# Allegro board OPT8241-CDK-EVM IB 10-50_REV2P0V1.brd (continued)
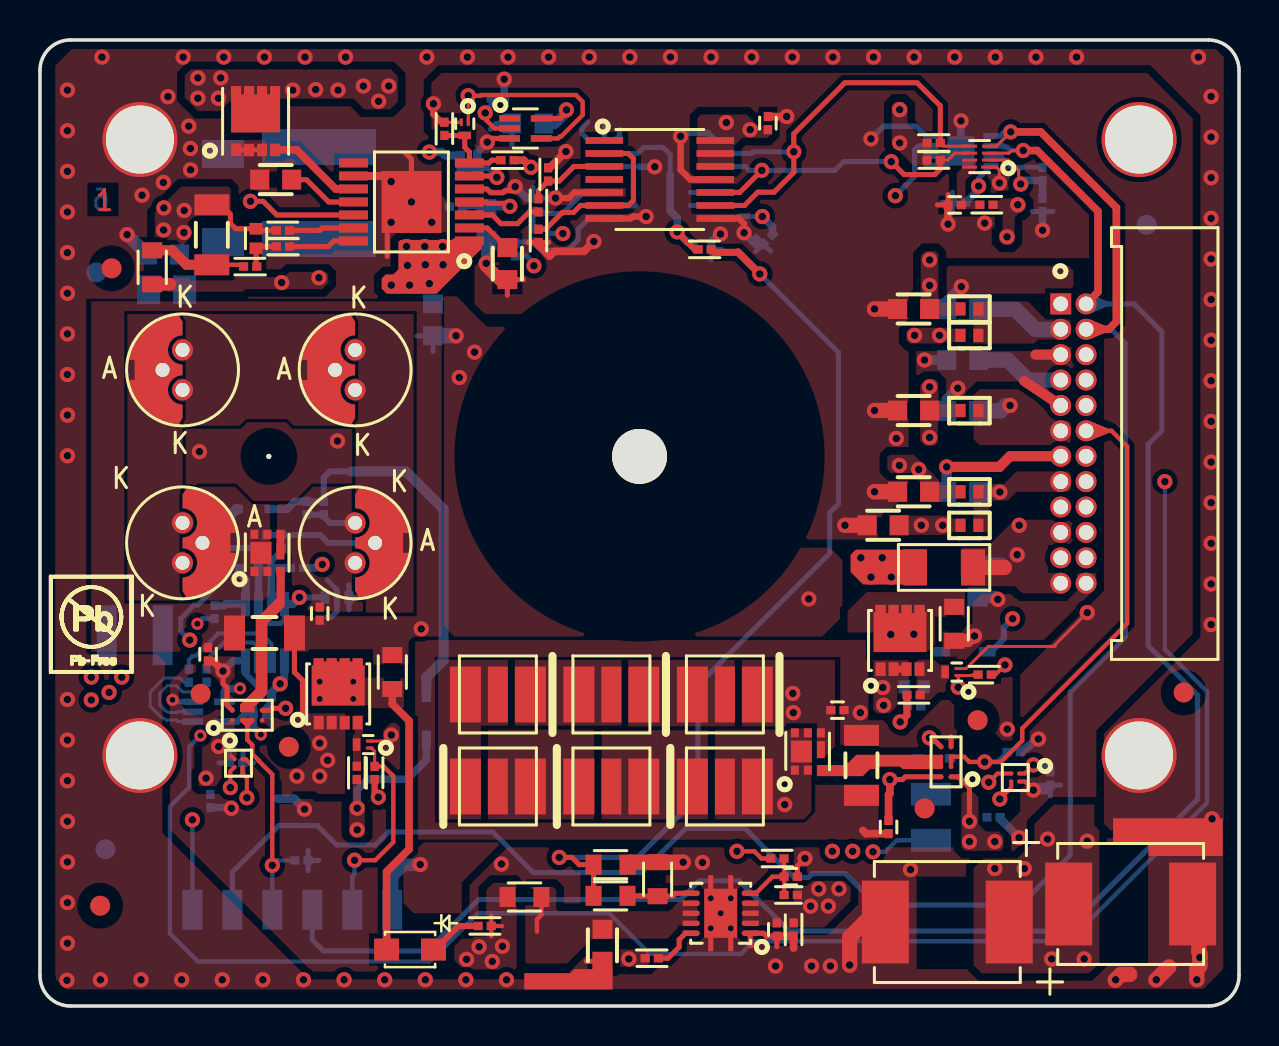
[diagram p0: board, top side]
## Routing (per net, layer and track width the routed paths; a pad name or vN(x,y) marks a point on that pad's centre or on a via; arc(x,y) is an arc through that point) (continued)
  BOTTOM w0.254: 50.68,39.74 C47.2 49.65,39.74 ; 35.04,40.04 U18.13 32.55,40.04 ; 29.48,41.99 U18.5 26.99,41.99 ; 50.04,11.05 C16.2 ; C16.2 51.07,11.05 ; C16.2 50.56,10.51 ; U23.3 6.79,15.22 6.7,15.32 v2(6.63,15.32) ; v2(7.88,19.12) 8.13,19.37 R67.2 ; 22.53,43.84 22.82,44.14 C46.1 23.61,43.11 23.6,43.09 ; 45.66,39.68 C13.2 ; C13.2 45.66,40.71 ; C13.2 45.13,40.2 ; U21.9 45.84,42.52 ; 34.12,37.84 R54.1 33.59,37.33 ; R33.1 13.95,7.28 ; R33.1 13.41,7.8 ; R33.1 13.41,6.77 ; 23.14,38.29 C25.1 22.34,37.51 ; 35.81,37.74 36.19,38.12 ; 36.19,38.12 35.83,38.48 ; 36.19,38.12 36.56,37.76 ; C39.2 10.69,12.16 ; C39.2 10.15,11.64 ; C39.2 10.15,12.67 ; 35.04,40.69 U18.12 32.55,40.69 ; 24.67,40.94 R44.1 25.18,40.4
  BOTTOM w0.279: v1(41.58,43.37) 42.21,44 43.85,44 44.33,43.52 U21.4 ; U21.1 45.34,42.02 45.84,42.52 U21.2
  BOTTOM w0.318: 29.98,41.99 30,41.98 v1(30.76,41.98) ; U18.2 29.78,40.04 ; v1(32.06,43.5) 32.09,43.5 32.27,43.67 33.41,43.67 U18.8 ; U9.11 32.57,41.34
  BOTTOM w0.33: C54.2 11.33,14.92 11.5,15.09 11.5,15.2 11.52,15.22 11.52,15.37 C51.1
  BOTTOM w0.381: U22.5 12.23,16.33 v1(12.02,16.12) 11.58,15.68 C51.1 ; R19.1 21.88,42.71 v1(22.38,43.21) ; 36.19,38.12 35.79,38.12 v1(35.23,38.68) ; v1(45.44,39.11) 45.44,39.97 C13.2 ; C37.2 9.53,9.93 v1(9.58,9.89) ; R50.1 v1(23.23,46.36) ; U21.9 v1(46.09,44.27) ; R54.1 33.59,38.23 33.97,38.61 v1(34.05,38.61) ; R44.1 24.36,40.4 v1(23.78,40.99) ; v1(50.17,38.8) C47.2
  BOTTOM w0.432: v1(13.24,9.85) 12.71,10.37 11.91,10.37 ; C16.2 50.31,10.8 v1(49.71,10.8) ; v1(48.99,8.42) 48.05,9.36 C15.2 ; v1(49.96,13.36) R4.1
  BOTTOM w0.508: C25.1 v1(22.33,37.15)
  vias: v1(23.09,7.1) v1(33.15,7.18) v1(36.81,2) v1(38.61,2) v1(39.55,2) v1(42.85,28.39) v1(43.56,6.82) v1(47.27,39.16) v2(33.56,5.39) v2(33.56,3.89) v2(34.06,4.64) v2(34.56,5.39) v2(34.56,3.89)
VCC_5V0_ILLUM_IN: length 4.4
  TOP w0.762: 48.26,21.94 B1.2
  BOTTOM w0.762: 48.1,22.05 C11.2 ; v1(48.54,30.04) 48.34,30.04 48.07,29.77 C9.2
  vias: v1(48.9,22.57) v1(49,24.04)
VCC_5V0_MINUS_ILLUM_IN: length 4.5
  BOTTOM w0.762: J1.7 49.43,31.31 48.43,32.31 C8.2
VCC_ILLUM_DRV_1V8_IN: length 1.1
  BOTTOM w0.508: C10.2 v1(48.03,25.71)
VCC_ILLUM_DRV_3V3: length 19
  TOP w0.254: U13.A2 9.36,15.06 9.36,15.92 9.16,16.12 v1(9.16,16.76)
  TOP w0.381: v1(9.16,16.76) 8.65,17.26 C36.1
  BOTTOM w0.254: 27.43,44.23 27.12,43.91 27.12,43.64 27.46,43.29 U18.7 ; U18.14 34.83,39.39 34.93,39.49 v1(36.15,39.49) ; R38.2 24.36,37.51 24.72,37.15 v1(24.72,37.02) ; 28.24,44.2 U18.7 ; U18.7 28.75,43.29 29,43.55 29,43.86
  BOTTOM w0.305: 9.87,14.22 10.22,14.58 C54.1 ; C51.2 10.92,15.97 10.82,16.07 10.82,16.08 10.28,16.62 U22.8
  BOTTOM w0.33: U23.5 9.87,14.22
  BOTTOM w0.381: v1(36.15,39.49) 36.66,38.98 C41.1 ; U22.8 9.68,17.27 v1(9.16,16.76) ; C51.2 10.67,15.19 C54.1 10.67,13.96 v2(11.05,13.58)
  vias: v1(34.34,44.19) v1(35.54,43.83) v1(43.02,44.83) v1(43.02,43.17) v1(44.52,37.32) v1(44.52,36.05) v1(48.39,38.47) v1(48.93,40.08)
VCC_ILLUM_DRV_3V3_IN: length 4.5
  BOTTOM w0.762: J1.3 49.81,33.85 48.81,34.85 C7.2
VCC_ILLUM_DRV_5V0: length 12.2
  TOP w0.254: U2.A2 43.3,11.46 43.16,11.33 v1(42.53,11.33)
  TOP w0.356: v1(43.04,14.21) 43.39,14.55 R5.2
  TOP w0.381: C14.1 42.46,10.56 42.53,10.63 v1(42.53,11.33)
  BOTTOM w0.381: D15.2 19.33,12.31 18.37,11.34 16.41,11.34 15.87,10.81 v1(15.87,9.89)
  vias: v1(15.87,8.82) v1(44.52,30.97) v1(44.52,28.44)
VCC_IO: length 4.5
  TOP w0.203: v1(48.29,17.06) 47.81,16.58 R6.2
  TOP w0.254: U2.A1 45.96,11.46 46.51,10.91 v1(46.51,9.24) ; U2.D2 44.64,13.42 v1(44.5,13.42)
  vias: v1(43.77,33.54) v1(44.1,24.04) v1(45.01,33.54) v1(45.17,24.04) v1(46.51,8.22) v1(47.78,8.22)
VCC_IO_1V8: length 18.7
  TOP w0.152: U1.2 48.46,42.31 48.97,41.8 48.97,41.22 v1(49.08,41.11)
  TOP w0.203: v1(49.71,12.06) 49.28,11.63 U3.A1 ; U14.A1 9.59,12.49
  TOP w0.254: U13.D2 11.56,14.79 11.66,14.89 v1(12.29,14.89) ; v1(26.34,44.82) 26.34,44.7 26.04,44.4 U20.5
  TOP w0.305: v1(16.93,10.44) 16.75,10.63 R36.2
  BOTTOM w0.254: v1(42.8,40.53) 43.77,41.49 43.77,42.83 43.96,43.02 U21.3 ; 9.49,12.67 C39.1 8.95,12.16 ; v1(46.97,41.01) 46.97,41.4 47.58,42.01 47.59,42.01 U21.8
  BOTTOM w0.381: C47.1 R55.1 49.25,41.29 v1(49.08,41.11) ; C16.1 50.21,12.06 v1(49.71,12.06) ; v1(46.97,41.01) 46.97,40.84 C13.1
  BOTTOM w0.508: v1(26.34,44.82) 26.34,44.7 25.78,44.14 C46.2
  vias: v1(8.31,11.4) v1(8.94,12.98) v1(43,27.04) v1(43.97,26.84)
VCC_POW_5V0: length 1
  TOP w0.381: v1(24.56,41.95) 24.21,42.31 R13.2
  vias: v1(17.58,36.06) v1(18.34,37.99) v1(18.39,37.04) v1(18.49,36.06) v1(19.26,37.99) v1(19.28,37.08) v1(19.48,36.14) v1(20.14,37.99) v1(20.17,37.08) v1(29.47,2.35) v1(38.56,4.99) v1(38.97,5.86) v1(39.45,4.99) v1(39.98,5.86) v1(41.07,22.42) v1(41.58,21.45) v1(42.14,22.42) v1(42.6,21.45) v1(47.78,6.87) v1(49.25,6.87) v1(50.42,8.35) v1(50.62,2.35) v1(52.25,2.35) v1(52.4,8.25)
COMP_MOD_FB: length 93.4
  PWR 1 w0.152: v1(56.29,26.23) J1.16
  PWR 1 w0.381: v2(8.03,13.53) 8.47,13.97 8.47,14.33 9.57,15.43 9.57,15.44 v2(10.01,15.88)
  BOTTOM w0.218: v1(56.29,26.23) 56.29,17.84 58.4,15.74 58.4,10.16 51.48,3.24 35.71,3.24 35.08,2.61 30.51,2.61 28.48,4.64 21.92,4.64 19.57,2.29 19.53,2.29 19.46,2.23 7.9,2.23 6.5,3.62 6.5,9.97 7.47,10.94 7.47,12.97 v2(8.03,13.53)
  BOTTOM w0.381: v2(10.01,15.88) 10,15.87 9.4,15.87 9.32,15.8 9.32,15.8 9.23,15.71 U23.4
COMP_MOD_REF: length 95.7
  SIG w0.218: J1.14 53.37,27.5 53.89,26.98 53.89,18.69 50.36,15.17 48,15.17 45.29,12.46 45.29,6.47 41.62,2.79 40.21,2.79 40.16,2.74 38.3,2.74 37.89,2.33 37.53,2.33 37.12,2.74 36.5,2.74 36.08,2.33 31.4,2.33 28.07,5.66 14.15,5.66 12.03,7.78 8.11,7.78 6.88,9 6.88,10.35 7.56,11.03 7.56,12.85 7.34,13.08 7.34,13.83 7.56,14.05 7.56,17.62 7.5,17.69 v1(7.5,18.3)
  PWR 1 w0.254: v1(7.5,18.3) 12.8,18.3 14.12,19.63 v1(14.12,22.09)
  BOTTOM w0.254: R60.2 9.3,21.91 8.91,21.52 8.91,21.07 7.89,20.06 7.72,20.06 7.05,19.38 7.05,18.75 v1(7.5,18.3)
  BOTTOM w0.381: R63.2 13.77,21.91 13.95,22.09 v1(14.12,22.09)
CSH: length 3.9
  TOP w0.254: U7.3 22.63,39.57 23.07,39.13 23.9,39.13 24.48,39.72 R18.2
EN: length 3.9
  TOP w0.218: R26.2 37.23,6.93 37.24,6.92 C35.1 ; C35.1 36.65,6.47 35.82,5.64 U12.5 ; C35.1 R29.1
I2C_AUX_SCL: length 86.1
  TOP w0.203: U14.B2 10.13,11.62 10.35,11.4 v1(10.35,10.42) ; U3.B2 48.6,10.93 v1(48.03,10.35)
  SIG w0.305: J1.6 55.27,32.58 57.1,30.75 57.1,16.5 57.99,15.61 57.99,10.66 56.9,9.57 48.82,9.57 v1(48.03,10.35)
  PWR 1 w0.254: v1(10.35,10.42) 16.46,4.31 23.6,4.31 24.11,3.8 24.11,2.49 24.63,1.97 24.67,1.97 25.05,1.59 35.21,1.59 36.78,3.17 40.98,3.17 45.16,7.35 45.16,8.97 46.55,10.35 v1(48.03,10.35)
I2C_AUX_SDA: length 72.3
  TOP w0.203: U14.B1 9.53,11.74 v1(9.53,10.93) ; U3.B1 47.91,11.63 v1(47.48,11.19)
  SIG w0.254: J1.8 53.75,31.31 54.94,30.12 54.94,18.28 50.78,14.12 49.64,14.12 49.2,13.67 49.2,12.9 47.94,11.64 47.92,11.64 v1(47.48,11.19)
  PWR 1 w0.254: v1(9.53,10.93) 9.98,11.37 10.49,11.37 15.55,6.32 35.88,6.32 37.96,4.23 39.76,4.23 42.34,6.81 42.34,7.08 46.46,11.19 v1(47.48,11.19)
I2C_SLV_SCL: length 93.6
  TOP w0.152: U1.3 48.49,42.66 48.62,42.79 v1(49.2,42.79)
  TOP w0.381: v1(49.2,42.79) 49.9,42.79 52.94,39.75 52.94,35.72 J1.2
  BOTTOM w0.254: v1(49.2,42.79) 48.57,42.79 48.39,42.97 48.25,42.97 48.2,43.02 U21.6 ; J1.2 54.74,35.12 56.14,33.72 56.14,28.77 55.45,28.08 55.45,18.03 57.93,15.54 57.93,10.36 51.33,3.75 37.49,3.75 34.98,6.26 33,6.26 32.06,5.33 21.95,5.33 19.38,2.76 14.18,2.76 13.63,3.31 J2.3
I2C_SLV_SCL_3V3: length 16.7
  TOP w0.152: R51.1 45.42,42.31 45.77,42.66 U1.6
  TOP w0.254: v1(36.12,41.8) 35.01,40.69 U9.10 ; R51.1 45.05,41.86 44.77,41.59 43.24,41.59 v1(42.6,42.23)
  BOTTOM w0.254: v1(42.6,42.23) 40.21,42.23 39.78,41.8 v1(36.12,41.8) 35.49,41.8 35.29,41.99 U18.10
I2C_SLV_SDA: length 95.6
  TOP w0.152: U1.4 47.86,43.01 v1(48.58,43.72)
  TOP w0.381: v1(48.58,43.72) 50.07,43.72 53.86,39.93 53.86,34.23 53.48,33.85 J1.4
  BOTTOM w0.254: U21.5 48.06,43.52 48.25,43.72 v1(48.58,43.72) ; J2.5 9.63,6.7 11.95,9.02 13.88,9.02 14.85,8.05 16.78,8.05 17.43,8.7 22.66,8.7 24.69,6.67 30.1,6.67 32.31,8.88 35.28,8.88 37.73,6.44 38.47,6.44 38.65,6.62 40.3,6.62 41.87,5.05 49.05,5.05 51.55,7.55 51.55,15.7 54.31,18.46 54.31,33.14 53.6,33.85 J1.4
I2C_SLV_SDA_3V3: length 22.8
  TOP w0.152: R52.1 45.21,43.01 U1.5
  TOP w0.254: U9.9 35.25,40.04 35.92,40.71 36.73,40.71 37.72,41.7 v1(37.72,42.73) 37.72,43.63 40.27,46.18 43.89,46.18 45.05,45.02 R52.1
  BOTTOM w0.254: v1(37.72,42.73) 35.68,42.73 35.59,42.64 U18.9
ILLUM_EN: length 116.7
  TOP w0.218: v1(34.88,7.74) 35.74,7.74 36.1,7.38 R26.1 ; v1(22.28,44.67) 22.33,44.62 22.33,44.31 22.75,43.9 U20.2
  SIG w0.218: v1(22.28,44.67) 21.24,44.67 20.04,45.87 19.14,45.87 17.73,44.47 13.29,44.47 9.68,40.86 9.68,26.53 10.87,25.34 10.87,19.47 12.97,17.36 17.11,17.36 25.41,9.06 33.56,9.06 v1(34.88,7.74) 35.49,7.74 36.61,6.62 41.64,6.62 42.43,7.4 42.43,9.61 39.73,12.31 39.73,15.54 41.4,17.21 46.64,17.21 47.58,18.15 48.52,18.15 49.79,19.42 49.79,24.65 49.56,24.88 49.56,34.74 49.94,35.12 J1.1
  BOTTOM w0.218: R50.2 22.57,45.08 22.33,44.83 22.33,44.72 v1(22.28,44.67)
ILLUM_ENZ: length 123.4
  TOP w0.149: R36.1 16.75,12.74 16.58,12.9 U17.1 ; R6.1 46.69,16.58 46.64,16.53 U6.1 v1(45.95,15.94)
  TOP w0.152: U8.1 v1(21.43,45.53)
  TOP w0.218: U20.4 25.92,43.39 26.01,43.48 26.07,43.48 27.16,44.57 27.16,45.23 26.82,45.57 22.08,45.57 22.05,45.53 v1(21.43,45.53) ; v1(15.74,7.29) 16.78,7.29 17.68,8.2 17.68,11.5 17.19,11.98 R36.1
  SIG w0.218: v1(21.43,45.53) 20.54,46.42 18.27,46.42 17.93,46.76 15.87,46.76 15.74,46.63 11.94,46.63 11.33,46.02 11.33,43.73 9.21,41.61 9.21,26.33 9.35,26.19 9.35,26.1 10.27,25.19 10.27,19.4 13.08,16.58 13.08,13.4 12.11,12.43 12.11,11.19 12.71,10.59 13.58,10.59 14.38,9.8 14.38,8.65 v1(15.74,7.29) 17.21,7.29 18.5,8.59 32.98,8.59 34.64,6.93 35.19,6.93 37.86,4.25 39.94,4.25 42.95,7.26 42.95,9.77 40.3,12.42 40.3,15.45 41.53,16.67 45.22,16.67 v1(45.95,15.94)
  BOTTOM w0.218: v1(15.74,7.29) 15.74,6.67 15.73,6.66 15.73,6.56 15.63,6.46 J2.2
ILLUM_HEX_LED: length 27.8
  TOP w0.635: R58.1 6.5,36.1
  SIG w0.635: v1(41.68,7.71) 41.68,9.11 38.89,11.9 ; 40.92,18.76 41.79,19.63 44.99,19.63 46.76,21.4 48.24,21.4 48.87,20.77 48.87,20.74 48.88,20.73 48.88,19.94 48.87,19.93 48.87,19.57 v1(48.67,19.37)
  SIG w1.016: v1(13.96,36.43) 13.96,40.08
  BOTTOM w0.218: v1(41.68,7.71) 42.3,7.71 42.88,8.29 L1.1
  BOTTOM w0.305: D7.2 47.59,17.72 48.23,18.37 48.23,18.93 v1(48.67,19.37)
  BOTTOM w0.406: v1(19.48,42.71) 20.1,42.71 20.27,42.54 R15.2
  vias: v1(12.09,36.19) v1(39.65,7.74) v1(40.67,7.74)
ILLUM_N: length 25.2
  TOP w0.218: U2.B1 U2.C1 46.25,12.46 46.51,12.21 v1(47.27,12.21) 48.08,12.21 49.15,13.28 49.15,13.88 54.4,19.14 54.4,27.99 53.62,28.77 J1.12
  BOTTOM w0.218: R4.2 47.9,12.21 v1(47.27,12.21)
ILLUM_P: length 81.1
  TOP w0.218: v1(11.63,7.04) 11.63,11.58 10.94,12.27 10.94,12.29 10.62,12.6 10.62,13.07 10.37,13.31 10.37,14.04 ; 10.37,14.04 U13.B1 U13.C1 10.37,14.05 10.37,14.04
  SIG w0.218: J1.10 53.37,30.04 54.36,29.04 54.36,18.5 50.56,14.69 49.9,14.69 49.86,14.65 48.15,14.65 45.77,12.26 45.77,5.98 41.04,1.25 31.68,1.25 27.82,5.12 13.54,5.12 v1(11.63,7.04)
  BOTTOM w0.218: J2.4 v1(11.63,7.04) 11.87,7.28 R33.2
ILLUM_QUAD_LASER: length 1.6
  TOP w0.218: R57.1 23.12,4 ; R57.1 22.58,4.52 ; R57.1 22.58,3.49
  vias: v1(2.57,16.45) v1(2.57,15.31) v1(3.46,15.69) v1(4.09,16.45) v1(21.34,2.33) v1(21.97,2.96) v1(22.63,2.23) v1(23.14,2.99)
ILLUM_REF: length 68.1
  SIG w0.218: J1.20 53.2,23.69 53.42,23.47 53.42,18.89 50.17,15.64 47.8,15.64 44.82,12.65 44.82,7.03 41.31,3.52 37.92,3.52 35.16,6.29 14.4,6.29 12.27,8.42 8.52,8.42 v1(7.63,9.31)
  BOTTOM w0.218: J2.6 v1(7.63,9.31)
OUTA: length 4.2
  BOTTOM w0.203: R61.2 8.34,17.31 9.2,18.18 10.67,18.18 10.93,17.92 U22.7
OUTB: length 6.2
  BOTTOM w0.203: R64.2 7.45,17.31 7.65,17.52 7.8,17.52 8.92,18.63 11.05,18.63 11.58,18.11 U22.6
OVP: length 3.4
  TOP w0.254: U7.6 22.51,41.52 22.58,41.45 v1(22.86,41.45)
  BOTTOM w0.254: R15.1 21.87,41.88 R19.2 22.42,41.89 v1(22.86,41.45)
RCT: length 4.6
  TOP w0.254: U7.4 22.33,40.22 22.4,40.15 23.27,40.15 23.4,40.02 23.47,40.02 23.49,40.01 23.51,40.01 v1(23.51,40)
  BOTTOM w0.254: R16.1 22.25,39.98 C25.2 22.37,39.92 23.4,39.92 23.47,40 23.5,40 23.5,40 v1(23.51,40)
RVAR: length 45.3
  TOP w0.254: v1(25.99,7.43) 26.62,7.43 26.99,7.07 R31.2 R30.1
  TOP w0.356: 34.91,37.7 33.74,37.7 R53.2
  TOP w0.381: 34.91,37.7 34.94,37.7 v1(36.02,36.62)
  BOTTOM w0.254: v1(25.99,7.43) 29.9,7.43 32.92,10.46 32.92,16.04 39.52,22.64 39.52,24.67 39.96,25.11 39.96,32.68 v1(36.02,36.62)
SW: length 5.4
  TOP w0.254: U7.12 11.85,39.57 11.17,40.25 v1(10.53,40.25)
  vias: v1(7.9,46.42) v1(7.9,45.41) v1(8.93,45.41) v1(9.04,46.42) v1(12.65,45.81) v1(13.79,45.84) v1(14.91,45.81) v1(16.18,46.02) v1(16.94,45.25) v1(17.45,46.02)
VREF: length 55.6
  SIG w0.762: v1(26.16,38.64) 23.44,38.64 21.85,40.23 21.85,42 20.09,43.76 18.19,43.76 18.16,43.72 14.22,43.72 12.09,41.6 12.09,39.44 10.9,38.24 10.9,31.03 13.62,28.31 13.62,26 11.89,24.27 11.89,22.42 12.98,21.33 v1(12.98,20.44)
  BOTTOM w0.254: v1(26.16,38.64) 25.53,38.64 25.29,38.88 R41.2 R44.2 25.13,39.74 25.23,39.64 26.14,39.64 27.19,40.69 U18.3 ; U22.2 10.93,19.37 11.15,19.14 12.07,19.14 12.23,19.31 U22.4
  BOTTOM w0.305: C52.B v1(12.98,20.44)
  BOTTOM w0.381: C53.1 10.93,21.59 10.94,21.58 10.94,20.19 10.93,20.18 U22.2
  BOTTOM w0.406: v1(12.98,20.44) 12.65,20.11 U22.4
N00829:
  vias: v1(37.26,11.12) v1(37.27,10.07)
N00899:
  vias: v1(37.67,15.64) v1(37.7,14.67) v1(42.57,18.58) v1(43.73,18.6)
N02235: length 4.4
  BOTTOM w0.305: 9.43,22.93 9.45,22.9 R66.1
  BOTTOM w0.508: D14.2 9.84,24.86 9.36,24.38 9.35,24.38 D11.2
N02281: length 21.1
  TOP w0.381: U16.8 U16.7 U16.6 U16.5 ; R37.2 17.63,15.1 18.47,14.27 18.47,7.84 17.34,6.72 D18.2 ; U15.4 U15.7
  BOTTOM w0.254: C52.A 15.46,21.06 ; C52.A 15.99,20.44 ; C52.A 15.46,19.82
  BOTTOM w0.305: C48.2 C38.2 14.2,24.47 14.51,24.17 D16.3
  vias: v2(14,16.22) v2(14,15.36) v2(15.67,16.22) v2(15.67,15.36)
N02839: length 5.6
  BOTTOM w0.292: R65.2 14.02,23.56 14.42,23.17 D16.2
  BOTTOM w0.305: R66.2 R65.2
N10016: length 20.5
  BOTTOM w0.305: 15.6,26.74 14.51,26.74 14.2,26.43 C38.1 C48.1
  BOTTOM w0.381: C48.1 12.75,25.24 12.37,24.86 D14.1
  BOTTOM w0.508: 15.6,26.74 18.32,26.74 20.2,24.86 20.2,17.3 19.33,16.44 D15.1
N16712861: length 4.7
  TOP w0.381: U7.10 14.8,40.87 12.84,42.82 X1.4
N16713156: length 4
  TOP w0.254: R10.2 9.06,40.07 9.53,39.6 9.53,39.15 9.8,38.88 C22.2 10.9,38.79 R9.1
  vias: v1(6.2,39.92) v1(6.19,38.82) v1(7.22,39.79) v1(7.2,38.69)
N16713230: length 2
  TOP w0.254: R11.1 10.91,37.99 C22.1 10.82,37.02 R12.2
N16713537: length 4.9
  TOP w0.218: R10.1 10.1,37.07 R12.1
  TOP w0.508: R58.2 6.62,37.8 7.34,37.07 R10.1
N16713615: length 3.2
  TOP w0.254: R9.2 14,38.79 14.12,38.92 U7.13
N16714163: length 2.3
  TOP w0.254: U7.2 22.38,38.92 23.36,37.93 C21.1
N16714426: length 3.3
  TOP w0.254: R11.2 14.43,37.99 14.71,38.27 U7.14
N16715520: length 4.1
  TOP w0.254: R13.1 22.61,42.31 22.47,42.17 U7.7 21.49,42.72 21.25,42.95 U8.3 R14.2
N16728853: length 0
  TOP w0.381: R3.2 47.02,40.07
N16734526: length 2.8
  BOTTOM w0.254: R55.2 48.61,41.95 48.09,42.48 48.07,42.48 48.02,42.52 U21.7
N16778392: length 5.6
  BOTTOM w0.254: R38.1 23.83,38.22 R41.1 24.67,38.2 25.06,37.81 26.41,37.81 26.93,38.32 26.93,38.85 27.46,39.39 U18.1
N16781068: length 2.4
  TOP w0.254: U12.10 32.3,3.64 31.98,3.32 31.98,2.95 31.43,2.39 R27.1
N16781102: length 3.3
  TOP w0.254: U12.6 31.81,5.64 31.66,5.49 R32.2 30.07,5.49 30.05,5.51 R30.2
N16781106: length 1.8
  TOP w0.218: R59.2 25.1,4.56 24.87,4.34 24.87,3.72
N16783332: length 4.2
  TOP w0.254: U9.3 26.71,41.99 25.99,41.27 R17.2 24.95,40.78 R18.1
N16783352: length 9
  TOP w0.254: U9.2 29.44,42.64 29.7,42.39 29.7,40.3 29.44,40.04 U9.6 27.05,40.04 26.69,39.69 26.14,39.69 25.3,38.85 R20.2
N16784955: length 10.4
  TOP w0.305: R53.1 32.76,37.84 v1(31.89,38.72)
  BOTTOM w0.254: U18.6 29.9,42.64 30.2,42.94 31.18,42.94 31.54,42.59 31.54,41.58
  BOTTOM w0.381: R53.1 32.58,38.19 32.41,38.19 v1(31.89,38.72) 31.89,39.42 31.54,39.77 31.54,41.58
N16791576: length 2.7
  TOP w0.305: R57.2 20.95,4 19.77,2.82 D18.1
N16793522: length 3.9
  BOTTOM w0.305: C53.2 11.59,22.27 12.09,22.78 R65.1
  BOTTOM w0.381: R63.1 C53.2 11.59,21.04 11.58,21.04 U22.3
N16803989: length 3.5
  BOTTOM w0.381: R60.1 9.98,21.64 10.3,21.31 10.3,20.45 10.28,20.43 U22.1 9.28,20.11 9.2,20.03 R67.1
N16804892: length 5.4
  BOTTOM w0.152: 7.45,16.2 7.22,16.2 7.01,16.4 6.21,16.4 5.62,15.8 5.62,15.79 5.51,15.69 5.51,15 6.01,14.5 6.07,14.44 6.35,14.3 6.84,14.3 6.92,14.22 U23.1
N16804966: length 5.2
  BOTTOM w0.152: U23.2 6.92,14.72 6.88,14.68 6.45,14.68 6.26,14.79 6,15.05 6,15.65 6.37,16.02 6.83,16.02 7.13,15.71 7.87,15.71 8.34,16.18 8.34,16.2
N1671243410: length 3.6
  TOP w0.254: U7.11 14.45,40.22 13.33,41.33 C23.2

## Copper pours and planes (outline as drawn; the poured copper is in the pictures)
GND on TOP: 1.3,0.83 0.79,1.34 0.79,1.52 0.76,1.54 0.76,47.03 1.6,47.87 58.83,47.87 59.24,47.46 59.24,9.26 58.58,8.6 53.44,8.6 53.09,8.96 53.09,13.63 57.94,18.48 57.94,44.39 55.53,46.8 19.84,46.8 19.46,46.42 19.46,43.63 20.35,42.74 20.35,38.68 20.09,38.42 18.06,38.42 17.81,38.17 17.81,37.02 17.55,36.77 17.05,36.77 16.92,36.64 16.92,35.88 17.3,35.5 20.86,35.5 22.38,33.98 24.41,33.98 24.54,34.1 25.55,34.1 36.73,22.93 39.52,22.93 40.16,22.29 40.16,19.5 39.14,18.48 20.73,18.48 20.22,18.99 20.22,35.25 20.09,35.37 2.31,35.37 2.31,17.72 2.44,17.59 5.87,17.59 6.25,17.21 6.25,8.83 13.36,1.72 27.71,1.72 28.09,1.34 28.09,0.83 ; 2 cut-outs
GND on TOP: 10.31,17.72 2.57,17.72 2.57,35.25 20.09,35.25 20.09,18.48 18.7,18.48 18.44,18.23 18.44,17.09 16.66,17.09 16.66,17.85 13.49,17.85 13.36,17.72 12.22,17.72 12.22,19.5 18.82,19.5 18.82,34.61 18.7,34.74 4.22,34.74 4.22,20.13 10.31,20.13
GND on TOP: 45.37,35.5 45.37,36.9 45.62,37.15 51.34,37.15 51.72,36.77 51.72,36.01 51.34,35.63 46.51,35.63 46.26,35.37 45.49,35.37
GND on TOP: 51.34,30.67 50.09,30.67 49.58,31.18 46.89,31.18 46.13,30.42 45.49,30.42 45.24,30.67 45.24,31.31 44.99,31.56 43.46,31.56 43.46,32.58 43.72,32.83 50.57,32.83 50.83,33.09 51.46,33.09 51.72,32.83 51.72,31.06
GND on TOP: 10.95,14.42 10.95,12.39 12.09,11.24 12.09,10.61 12.35,10.35 12.47,10.35 12.73,10.61 13.62,10.61 13.87,10.35 15.14,10.35 15.52,10.74 15.52,14.55 15.39,14.67 12.85,14.67 12.6,14.42 11.33,14.42 11.2,14.55 11.08,14.55
GND on TOP: 18.77,8.32 18.77,18.3 41.33,18.3 41.33,17.34 41.46,17.34 41.46,14.29 42.19,14.29 42.95,13.53 43.33,13.53 45.11,15.31 45.49,15.31 45.75,15.05 45.75,13.91 45.87,13.78 45.87,12.89 42.06,12.89 41.94,13.02 41.94,13.07 40.05,13.07 40.05,17.46 19.76,17.46 19.76,9.17 38.27,9.17 38.79,9.69 38.79,11.07 41.95,11.07 41.95,8.32
GND on TOP: 7.27,29.02 7.27,25.98 9.88,25.98 10.65,25.21 12.8,25.21 13.57,25.98 15.65,25.98 15.65,29.02 12.6,29.02 12.35,29.28 10.37,29.28 10.11,29.02
GND on TOP: 45.11,18.74 45.11,17.59 45.37,17.34 46.26,17.34 46.76,16.83 46.76,14.67 48.16,13.28 48.92,13.28 48.92,16.83 52.99,20.9 52.99,21.66 51.72,21.66 51.72,20.77 51.34,20.39 48.8,20.39 48.54,20.64 48.41,20.64 48.29,20.77 47.27,20.77 46.51,20.01 46.51,19.12 46.13,18.74
GND on TOP: 41.7,17.29 41.7,14.84 41.9,14.63 42.51,14.63 42.94,15.07 42.94,15.84 43.2,16.09 43.44,16.09 43.63,16.29 43.63,17.23 43.55,17.3 41.71,17.3
GND on TOP: 21.11,4.64 18.7,4.64 18.19,5.15 18.19,7.18 19.2,8.2 23.01,8.2 23.14,8.07 23.14,7.94 21.62,6.42 21.49,6.42 21.11,6.04
GND on BOTTOM: 1.52,0.76 0.99,0.99 0.76,1.52 0.76,47.03 1.6,47.87 58.83,47.87 59.24,47.46 59.24,1.52 59.01,0.99 58.48,0.76 ; 8 cut-outs
GND on GND: 1.52,0.76 0.99,0.99 0.76,1.52 0.76,47.03 1.55,47.82 17.81,47.82 17.81,41.98 18.8,40.99 19.92,40.99 21.24,39.67 21.24,35.73 22.15,34.81 34,34.81 38.52,30.29 38.52,21.21 40.68,19.05 44.78,19.05 45.15,19.42 45.15,22.29 43.84,23.6 43.84,36.14 44.24,36.53 49.42,36.53 51.84,34.1 51.84,21.52 53.15,21.52 53.27,21.4 53.27,17.4 51.73,15.87 50.05,15.87 49.13,14.94 49.13,11.28 45.51,7.66 41.32,7.66 40.06,8.92 25.91,8.92 22.23,5.24 17.49,5.24 16.75,5.97 16.75,7.08 19.64,9.96 19.64,14.18 19.01,14.8 16.79,14.8 15.22,13.22 15.22,11.95 14.11,10.85 12.11,10.85 11.92,11.04 9.07,11.04 8.26,10.23 7.95,3.81 7.95,0.76
GND on SIG: 0.76,47.03 1.6,47.87 18.57,47.87 18.57,43.5 18.32,43.25 14.25,43.25 12.6,41.6 12.6,39.31 11.46,38.17 11.46,34.36 12.09,33.72 15.52,33.72 16.66,32.58 16.66,19.12 25.81,9.97 33.68,9.97 34.83,8.83 34.83,8.45 31.02,8.45 28.09,5.53 19.33,5.53 18.06,6.8 18.06,8.32 18.7,8.96 18.7,14.42 18.44,14.67 17.3,14.67 16.54,13.91 16.54,12.01 15.39,10.86 12.98,10.86 12.47,11.37 12.47,12.77 13.11,13.4 13.11,17.72 11.84,18.99 9.93,18.99 7.52,16.58 7.52,0.76 1.52,0.76 0.99,0.99 0.76,1.52 ; 5 cut-outs
GND on SIG: 44.27,25.31 44.27,28.82 43.61,29.48 43.61,35.63 44.73,36.74 52.76,36.74 53.11,36.39 53.11,19.07 52.1,18.05 52.1,16.48 48.95,13.33 47.32,13.33 42.8,8.8 42.75,8.8 39.5,12.06 39.5,15.46 42.24,18.2 44.38,18.2 46.92,20.74 48.29,20.74 48.59,20.44 48.59,19.98 48.34,19.73 48.34,18.71 49,18.71 49.41,19.12 49.41,21.3 48.8,21.91 46.46,21.91 44.83,20.29 40.26,20.29 36.3,16.32 36.3,14.7 35.84,14.24 28.78,14.24 20.35,22.67 20.35,33.98 17.3,37.02 16.41,37.02 16.03,37.41 16.03,40.25 17.5,41.72 19.79,41.72 20.45,41.06 20.45,38.27 20.3,38.12 20.3,36.29 20.96,35.63 25.17,35.63 37.75,23.05 42.01,23.05
GND_SIGNAL on TOP: 27.33,0.85 26.47,1.72 13.62,1.72 6.5,8.83 6.5,16.2 7.39,17.09 11.45,17.09 11.45,15.29 10.7,14.55 9.04,14.55 7.77,13.28 7.77,10.82 8.93,10.82 9.29,11.18 9.29,11.48 9.45,11.65 9.74,11.65 9.93,11.84 9.93,12.4 10.05,12.51 10.29,12.51 11.48,11.33 11.48,10.59 11.97,10.1 12.6,10.1 12.85,10.35 13.62,10.35 13.74,10.23 15.78,10.23 17.17,11.62 17.17,13.78 17.55,14.16 17.81,14.16 18.06,13.91 18.06,8.58 17.05,7.56 17.05,3.37 17.3,3.12 20.47,3.12 21.49,4.13 21.49,6.04 23.4,7.94 47.27,7.94 49.05,9.72 49.05,16.58 53.24,20.77 53.24,36.9 52.73,37.41 45.24,37.41 43.46,35.63 43.46,25.72 41.94,24.2 41.94,23.44 41.84,23.33 36.83,23.33 25.55,34.61 22.25,34.61 21.74,35.12 21.74,39.44 20.47,40.71 20.47,42.99 19.59,43.88 19.59,46.17 20.09,46.68 55.4,46.68 57.69,44.39 57.69,18.61 52.86,13.78 52.86,8.96 53.42,8.4 58.6,8.4 59.21,7.79 59.21,1.85 58.22,0.85 ; 3 cut-outs
GND_SIGNAL on BOTTOM: 8.36,2.18 8.36,10.05 9.22,10.91 9.74,10.91 9.92,11.09 9.92,12.67 10.04,12.78 10.7,12.78 10.8,12.68 10.8,11.22 11.1,10.91 12.04,10.91 12.22,10.74 12.85,10.74 12.84,10.72 15.88,10.72 15.88,8.47 16.87,7.48 16.56,7.18 16.56,5.93 17.48,5.02 20.17,5.02 22.68,7.53 23.42,7.53 24.03,6.93 30.2,6.93 32.08,8.8 38.79,8.8 39.04,8.55 39.04,7.33 39.3,7.08 47.83,7.08 48.54,7.79 48.54,10.51 49.3,11.27 49.3,14.85 50.14,15.69 51.36,15.69 54.18,18.51 54.18,35.73 53.11,36.8 44.48,36.8 44.43,36.74 44.22,36.74 43.51,36.03 43.51,23.59 42.85,22.93 38.69,22.93 38.69,30.83 36.43,33.09 36.45,33.09 34.48,35.06 22.34,35.06 21.87,35.53 21.87,39.34 20.91,40.3 20.91,41.98 19.74,43.15 19.33,43.15 18.47,44.01 18.47,46.14 19.1,46.78 52.45,46.78 52.45,41.62 56.68,37.39 56.68,16.58 56.89,16.58 58.12,15.35 58.12,12.09 57.51,11.48 57.51,10.05 57.43,10.05 51.29,3.9 37.65,3.9 36.88,3.14 35.89,3.14 34.93,2.18 30.66,2.18 28.48,4.36 21.9,4.36 19.71,2.18 ; 1 cut-out
GND_SIGNAL on GND: 8.38,0.78 8.38,10.07 9.22,10.91 11.86,10.91 12.12,10.66 14.35,10.66 15.45,11.75 15.45,13.07 17.05,14.67 18.7,14.67 19.48,13.88 19.48,10.1 16.56,7.18 16.56,5.93 17.48,5.02 22.23,5.02 26.01,8.8 39.93,8.8 41.25,7.48 45.52,7.48 49.3,11.27 49.3,14.85 50.14,15.69 51.77,15.69 53.44,17.36 53.44,23.13 52.86,23.13 52.86,35.63 52.61,35.88 50.7,35.88 49.84,36.74 44.22,36.74 43.51,36.03 43.51,23.59 45.01,22.09 45.01,19.55 44.68,19.22 40.87,19.22 38.69,21.4 38.69,30.83 36.43,33.09 36.45,33.09 34.39,35.14 22.25,35.14 21.54,35.86 21.54,39.84 20.12,41.27 18.82,41.27 18.14,41.95 18.14,47.77 58.85,47.77 59.18,47.44 59.18,1.44 58.52,0.78 ; 1 cut-out
GND_SIGNAL on SIG: 7.65,0.76 7.65,16.53 7.66,16.54 6.58,17.62 6.58,19.7 7.34,20.46 9.68,20.46 11.08,19.07 11.08,18.48 11.84,18.48 12.73,17.59 12.73,13.22 12.22,12.72 12.22,11.12 12.65,10.68 15.47,10.68 16.74,11.95 16.74,13.78 17.55,14.6 18.01,14.6 18.37,14.24 18.37,8.91 17.91,8.45 17.91,6.77 19.38,5.3 28.48,5.3 30.97,7.79 30.97,8.3 38.33,8.3 39.5,7.13 39.5,7.08 41.43,7.08 47.48,13.12 49.2,13.12 52.4,16.32 52.4,18 53.42,19.02 53.42,37.05 53.37,37.1 44.73,37.1 43.46,35.83 43.46,29.43 44.07,28.82 44.07,25.52 41.89,23.33 37.98,23.33 25.22,36.08 21.57,36.08 20.65,37 20.65,39.39 20.81,39.54 20.81,42.33 18.67,44.47 18.67,47.87 58.83,47.87 59.24,47.46 59.24,1.52 59.01,0.99 58.48,0.76 ; 7 cut-outs
GND_SIGNAL on PWR 1: 8.36,0.93 8.36,13.36 11.57,16.58 18.8,16.58 19.26,16.12 19.26,13.5 18.21,12.46 16.44,12.46 14.79,10.81 14.79,9.14 15.62,8.3 44.15,8.3 46.31,6.14 51.26,6.14 52.1,6.98 52.1,19.75 53.16,20.82 53.16,21.53 52.96,21.73 50.5,21.73 50.47,21.76 50.47,35.27 51.34,36.14 51.34,47.74 58.75,47.74 59.16,47.34 59.16,1.41 58.68,0.93
VCC_5V0_ILLUM_IN on TOP: 51.59,28.13 51.59,29.15 51.46,29.28 50.83,29.28 49.25,30.85 47.02,30.85 46.71,30.55 46.71,28.36 47.02,28.06 50.62,28.06 50.7,28.13
VCC_5V0_ILLUM_IN on TOP: 46.56,21 48.8,21 49.15,20.64 51.21,20.64 51.64,21.07 51.64,21.23 51.21,21.66 50.45,21.66 50.45,23.05 51.46,23.05 51.72,23.31 51.72,24.07 51.46,24.32 48.77,24.32 47.37,22.93 46.21,22.93 46.05,22.77 46.05,21.5
VCC_5V0_ILLUM_IN on BOTTOM: 48.8,20.69 47.98,21.5 46.15,21.5 45.85,21.81 45.85,22.37 48.54,25.06 48.54,26.33 47.78,27.09 47.32,27.09 46.61,27.8 46.61,30.34 46.76,30.5 50.19,30.5 50.47,30.22 50.47,29.28 51.46,29.28 51.59,29.15 51.59,28.52 51.34,28.26 50.6,28.26 50.47,28.13 50.47,25.85 50.45,25.85 50.45,24.58 50.7,24.32 51.59,24.32 51.72,24.2 51.72,23.31 51.46,23.05 50.57,23.05 50.45,22.93 50.45,21.91 50.57,21.78 51.46,21.78 51.59,21.66 51.59,20.77 51.34,20.51 50.83,20.51 50.65,20.69
VCC_ILLUM_DRV_1V8_IN on TOP: 48.87,26.74 48.24,26.1 46.79,26.1 46.71,26.03 46.71,23.71 47.42,23.71 47.5,23.79 47.5,25.09 47.7,25.29 48.44,25.29 48.9,25.75 48.92,25.72 51.46,25.72 51.59,25.85 51.59,26.61 51.46,26.74
VCC_ILLUM_DRV_3V3 on TOP: 32.9,41.9 32.9,44.42 33.07,44.59 35.36,44.59 35.89,44.06 36.6,44.06 36.63,44.03 36.63,43.65 36.4,43.43 35.13,43.43 34.72,43.02 34.72,41.88 34.7,41.85 32.95,41.85
VCC_ILLUM_DRV_3V3 on TOP: 47.48,39.87 47.93,39.87 48.16,39.64 48.16,38.83 48.01,38.68 48.01,38.27 48.19,38.09 48.59,38.09 48.77,38.27 48.77,39.44 49.02,39.69 49.13,39.69 49.33,39.89 49.33,40.17 49.1,40.4 48.08,40.4 47.96,40.28 47.5,40.28 47.48,40.25
VCC_ILLUM_DRV_3V3 on TOP: 9.27,15.18 9.74,15.18 9.74,17.49 8.18,17.49 8.18,16.82 9.27,15.73
VCC_ILLUM_DRV_3V3 on TOP: 46.28,35.2 46.28,34.56 46.26,34.54 44.33,34.54 44.07,34.79 44.07,37.53 44.3,37.76 44.81,37.76 44.96,37.61 44.96,35.3 45.06,35.2
VCC_ILLUM_DRV_3V3 on TOP: 44.58,43.3 44.5,43.37 44.17,43.37 43.41,44.14 43.41,45 43.18,45.23 42.8,45.23 42.62,45.05 42.62,43.12 43.72,42.03 44.5,42.03 44.58,42.1
VCC_ILLUM_DRV_3V3 on BOTTOM: 27.14,43.06 29.28,43.06 29.4,43.18 29.4,43.84 30.05,44.49 33.28,44.49 34.05,43.72 34.97,43.72 35.28,43.4 35.79,43.4 36.05,43.65 36.05,45.03 35.56,45.51 28.13,45.51 27.14,44.52
VCC_ILLUM_DRV_3V3 on PWR 1: 51.11,36.16 50.14,35.2 35.51,35.2 35.49,35.22 24.82,35.22 22.18,32.58 22.18,17.82 21.34,16.98 10.39,16.98 10.37,17.01 9.43,16.07 9.43,14.7 7.77,13.05 7.77,1.18 7.67,1.08 2.09,1.08 1.08,2.09 1.08,46.93 1.82,47.67 50.74,47.67 51.11,47.3 ; 1 cut-out
VCC_ILLUM_DRV_3V3_IN on TOP: 49.43,35.25 46.76,35.25 46.71,35.2 46.71,33.14 49.74,33.14 49.94,33.34 51.34,33.34 51.59,33.6 51.59,34.23 51.46,34.36 50.32,34.36
VCC_ILLUM_DRV_5V0 on TOP: 15.65,11.5 15.65,10.23 15.47,10.05 15.47,8.63 15.67,8.42 16.11,8.42 16.26,8.58 16.26,10.07 16.06,10.28 16.06,11.52 16.03,11.55 15.7,11.55
VCC_ILLUM_DRV_5V0 on TOP: 44.05,31.06 44.05,28.26 44.27,28.03 44.78,28.03 44.94,28.19 44.94,29.3 45.09,29.46 46.26,29.46 46.31,29.51 46.31,30.09 46.28,30.12 45.01,30.12 44.96,30.17 44.96,31.18 44.78,31.36 44.35,31.36
VCC_ILLUM_DRV_5V0 on PWR 1: 15.17,8.91 15.59,8.49 41.11,8.49 43.8,11.18 43.8,22.76 43.13,23.44 43.13,24.73 46.21,27.8 46.21,31.61 45.24,32.58 40.11,32.58 38.43,30.9 38.43,25.04 36.43,23.03 22.84,23.03 22.38,22.57 22.38,17.39 21.47,16.48 21.44,16.5 19.99,16.5 19.64,16.15 19.64,13.3 18.37,12.03 16.54,12.03 15.17,10.66
VCC_IO on TOP: 46.31,33.82 46.31,33.29 46.23,33.21 45.24,33.21 45.16,33.14 43.51,33.14 43.36,33.29 43.36,33.72 43.56,33.93 45.54,33.93 45.6,33.87 46.26,33.87
